# Altium PCB CYAN_AMP_2.PcbDoc (continued)
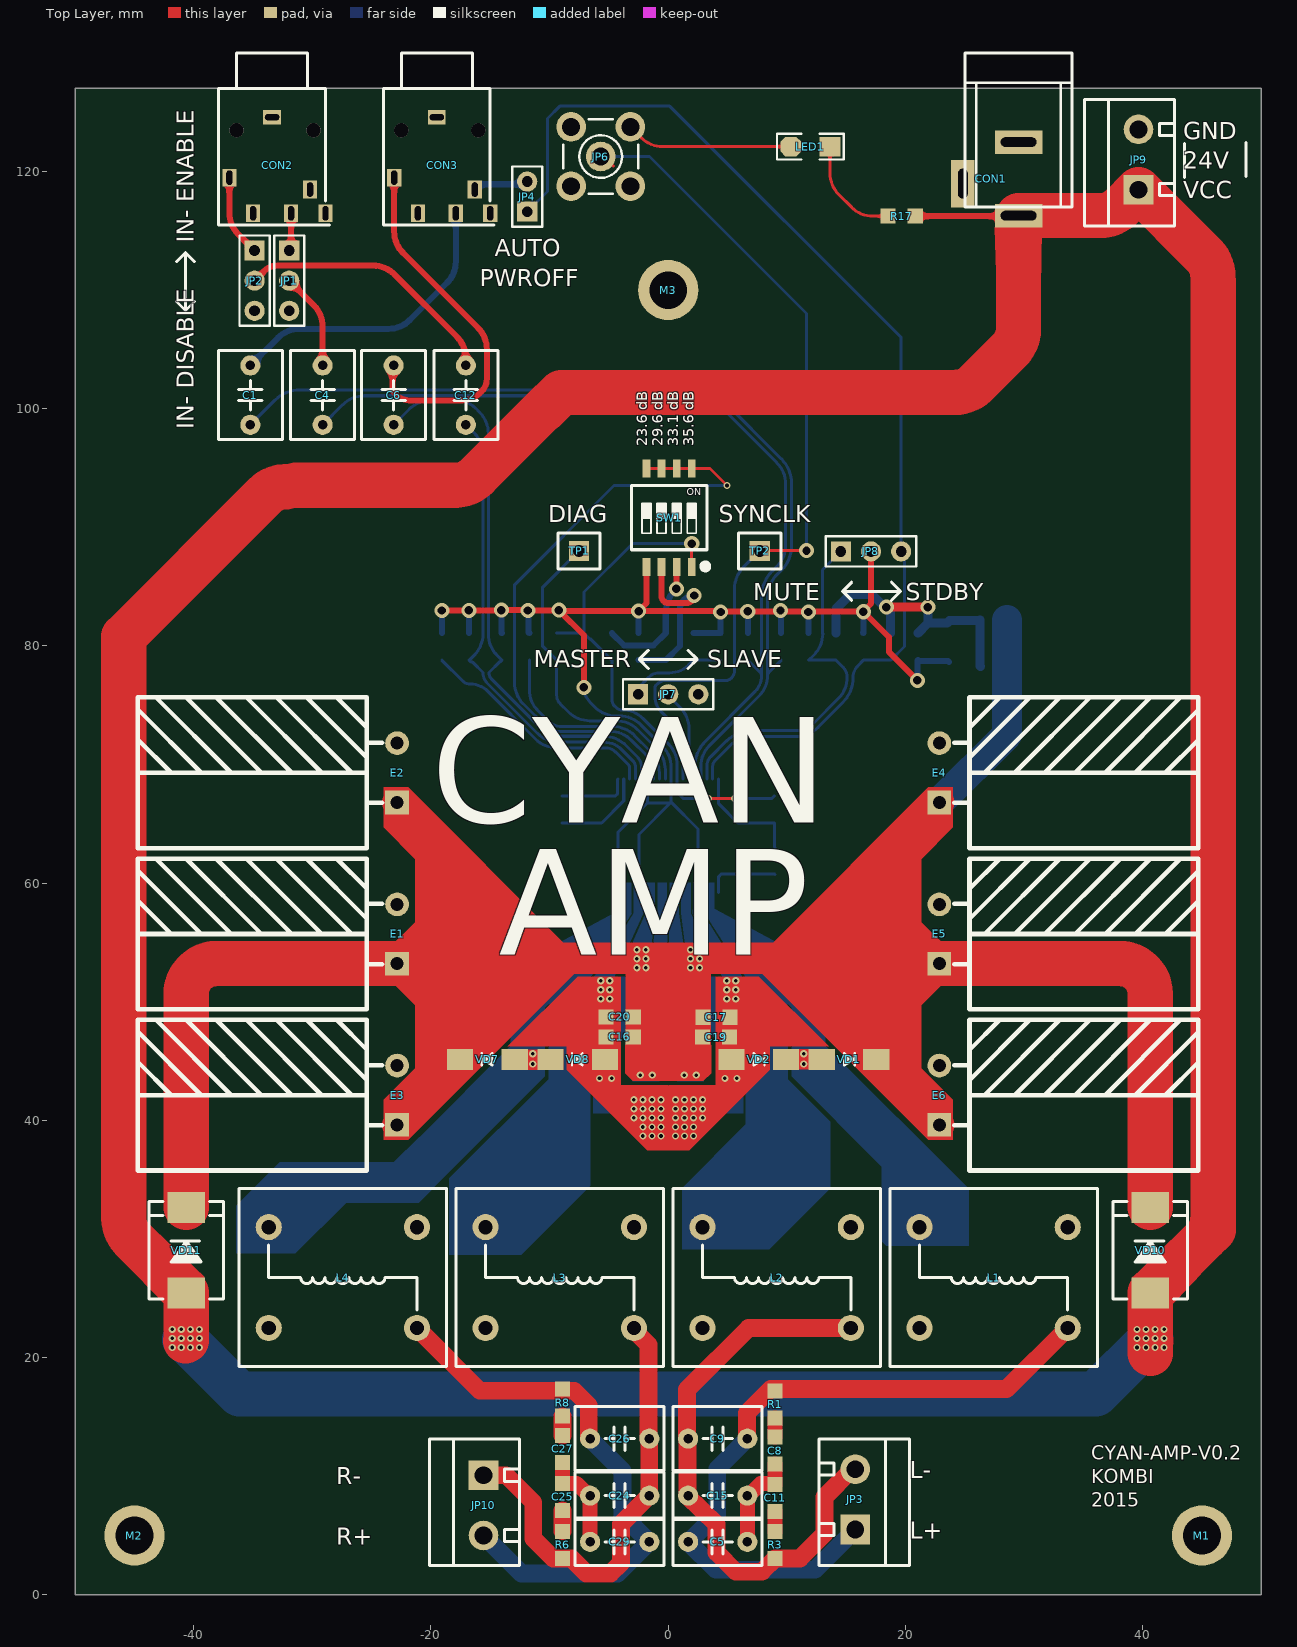
[diagram p0: Top Layer view]
## Footprints (in the part's own frame and the unit in brackets; to place one, negate y for a bottom-side part, rotate by r counter-clockwise, add the part's x,y. Pads: shape width x height; smd on the part's side, far side on the other; paste and mask are expansions set on the pad) (continued)
SMC [mm] "7.1x5.9*2.3mm（长宽高，不包括引脚）"
  rect 2.6x3.15 smd: 1(-3.6,0) 2(3.6,0)
  silkscreen extent -4.1,-3.15 4.1,3.15, body extent -3.95,-2.9 3.95,2.9, height 2.45
SOD-123 [mil] "2.7x1.6X1.1mm（长宽高，不包括引脚）"
  rect 55x50 smd: 1(-67.5,0)
  oct 55x50 smd: 2(67.5,0)
  body extent -73,-31 73,31, height 48
TDA7498E-SSOP36 [mm] "10.23*10.3*2.47mm（长宽高）"
  rect 1.7x0.3 smd: 1(4.775,4.25) 2(4.775,3.75) 3(4.775,3.25) 4(4.775,2.75) 5(4.775,2.25) 6(4.775,1.75) 7(4.775,1.25) 8(4.775,0.75) 9(4.775,0.25) 10(4.775,-0.25) 11(4.775,-0.75) 12(4.775,-1.25) 13(4.775,-1.75) 14(4.775,-2.25) 15(4.775,-2.75) 16(4.775,-3.25) 17(4.775,-3.75) 18(4.775,-4.25) 19(-4.775,-4.25) 20(-4.775,-3.75) 21(-4.775,-3.25) 22(-4.775,-2.75) 23(-4.775,-2.25) 24(-4.775,-1.75) 25(-4.775,-1.25) 26(-4.775,-0.75) 27(-4.775,-0.25) 28(-4.775,0.25) 29(-4.775,0.75) 30(-4.775,1.25) 31(-4.775,1.75) 32(-4.775,2.25) 33(-4.775,2.75) 34(-4.775,3.25) 35(-4.775,3.75) 36(-4.775,4.25)
  silkscreen extent 3.97,4.75 5.67,4.75, body extent -5.15,-5.15 5.15,5.15, height 2.47
"TEST TP1.4_B" [mm] "蓝色，测试环"
  rect 1.7x1.7 hole 1: 1(0,0)
  silkscreen extent -1.78,-1.52 1.78,1.52, body extent -1.67,-1.4 1.67,1.4, height 5.41

## Part data
C1 C4 C5 C6 C9 C12 C15 C24 C26 C29: library part C-CBB, "CBB电容", Voltage=10v
C2 C3 C7 C8 C10 C11 C13 C14 C16 C17 C18 C19 C20 C21 C22 C23 C25 C27 C28 C30 C31 C32 C33: "无极性贴片电容", Voltage=20V
CON1: library part P-DC, "低压电源接口"
CON2 CON3: library part PJ343, "3.5耳机插座,6Pin"
E1 E2 E3 E4 E5 E6: library part C-CAP, "直插电解电容", Voltage=50V
IC1: "Integrated Circuit", Manufacturer_Name=STMicroelectronics, Mouser Part Number=511-TDA7498ETR, Datasheet Link=http://www.mouser.com/ds/2/389/DM00044235-249497.pdf, Height=2.47mm, Manufacturer_Part_Number=TDA7498ETR, Mouser Price/Stock=https://www.mouser.com/Search/Refine.aspx?Keyword=511-TDA7498ETR
JP1 JP2 JP7 JP8: library part "Header 3", "3P接插件"
JP3 JP4 JP9 JP10: library part "Header 2", "2P接插件"
JP6: "SMA-2.4G射频天线接口"
L1 L2 L3 L4: library part L-PK, "工字电感"
LED1: library part LED-SMD, "贴片LED"
M1 M2 M3: "铜柱孔"
R1 R2 R3 R4 R5 R6 R7 R8 R9 R10 R11 R12 R13 R14 R15 R16 R17 Rosc: "贴片电阻"
SW1: "4路编码开关"
TP1 TP2: "测试环"
VD1 VD2 VD3 VD4 VD5 VD6 VD7 VD8: library part SS14, "肖特基二极管"
VD9: library part 1N4007, "整流二极管"
VD10 VD11: library part SS34, "肖特基二极管"

## Via types
v1: diameter 0.61, hole 0.305, Top Layer to Bottom Layer, tented both sides, 99 vias
v2: diameter 1.27, hole 0.711, Top Layer to Bottom Layer, tented both sides, 19 vias

## Nets (pads, with @x,y where several pads share a name; then routed paths per layer and width w, separated by ;. In a path a pad name is that pad's centre, name@x,y a point inside that pad or via, vN(x,y) a via of type N, cw(c..) or ccw(c..) an arc to the next point about the centre after c; other vN are vias at no path point)
DIAG: IC1.28 R5.2 TP1.1 | length 27
  Bottom Layer w0.254: TP1.1 -10.617,84.916 -10.617,80.004 R5.2 -9.408,75.835 ccw(c-8.42,75.835) -9.119,75.137 -8.415,74.433 ccw(c-6.619,76.229) -6.619,73.689 -4.38,73.689 cw(c-4.38,71.149) -2.583,72.945 -0.994,71.356 cw(c-2.79,69.56) -0.25,69.56 IC1.28@-0.25,68.775
GAIN: IC1.30 SW1.5 SW1.6 SW1.7 SW1.8 | length 53.3
  Top Layer w0.254: SW1.5@-1.981,94.959 SW1.6 SW1.7 SW1.8 3.521,94.959 v1(4.953,93.527)
  Bottom Layer w0.254: -12.979,76.86 -12.979,85.115 -4.568,93.527 v1(4.953,93.527) ; -12.954,76.894 ccw(c-10.414,76.894) -12.21,75.098 -10.333,73.22 ccw(c-9.118,74.734) -9.118,72.793 -4.906,72.793 cw(c-4.906,70.253) -3.109,72.049 -1.88,70.819 cw(c-3.4,69.299) -1.25,69.299 IC1.30@-1.25,68.775
GND: C2.1 C3.2 C5.1 C7.1 C8.1 C10.2 C11.2 C15.2 C16.2 C17.2 C18.1 C19.2 C20.2 C21.1 C22.1 C24.1 C25.1 C27.2 C29.2 C30.1 C31.1 C32.1 C33.2 CON1.2 CON2.1 CON3.1 CON3.6 E1.2 E2.2 E3.2 E4.2 E5.2 E6.2 IC1.1 IC1.4 IC1.5 IC1.14 IC1.15 IC1.27 IC1.31 JP1.3 JP2.3 JP6.2 JP6.3 JP8.2 JP9.2 LED1.2 R15.1 Rosc.1 SW1.4 VD2.1 VD4.1 VD6.1 VD8.1 VD9.1 | length 162.4
  Top Layer w0.254: JP6.2@-3.19,123.76 -2.272,122.842 ccw(c-0.476,124.638) -0.476,122.098 LED1.2
  Top Layer w0.508: v2@-18.618,82.986 -18.605,82.998 v2(-16.802,82.998) -14.084,82.998 v2(-14.072,83.011) -11.862,83.011 v2(-11.836,82.986) -11.824,82.998 -9.233,82.998 v2(-9.22,83.011) v2@-9.144,82.935 ; v2(-7.104,76.506) -7.104,80.894 v2@-9.144,82.935 ; SW1.4 -1.829,83.613 -2.489,82.953 v2(-2.489,82.935) ; JP8.2 17.094,83.563 16.459,82.928 v2(16.459,82.884) ; v2(21.006,77.093) 18.593,79.506 18.593,80.75 v2(16.459,82.884) ; v2@-9.144,82.935 v2(-2.489,82.935) ; v2(-2.489,82.935) 4.343,82.935 v2(4.42,82.859) 4.47,82.909 v2(6.706,82.909) 16.434,82.909 v2(16.459,82.884)
  Top Layer w1.27: C27.2 C25.1 -7.743,9.403 -6.707,8.368 C24.1 C29.2 ; C5.1 C15.2 ; C15.2@6.753,8.45 C15.2 ; C8.1 9.012,9.316 C11.2 8.946,9.373 7.792,9.373 6.787,8.368 C15.2
  Bottom Layer w0.254: C18.1 v2(-7.104,76.506) ccw(c-5.311,76.506) -6.579,75.239 -6.18,74.84 ccw(c-4.384,76.636) -4.384,74.096 -4.101,74.096 cw(c-4.101,71.556) -2.305,73.352 -0.494,71.542 cw(c-2.29,69.745) 0.25,69.745 IC1.27 0.25,66.823 ; IC1.1 -4.25,64.274 -1.75,66.774 ; -2.464,59.639 -2.464,64.11 0.201,66.774 ; IC1.31 -1.75,66.774 ; IC1.14@2.215,59.913 2.565,59.563 ; IC1.14 2.515,59.498 2.515,64.559 0.25,66.823 ; -1.75,66.774 0.201,66.774 ; 0.201,66.774 0.25,66.823
  Bottom Layer w0.508: C22.1 -19.079,81.084 -19.079,82.982 v2(-19.075,82.986) ; v2(-16.802,82.998) -16.79,82.986 -16.79,81.093 C10.2 ; v2(-14.072,83.011) -14.044,82.983 -14.044,81.108 C7.1 ; v2(-11.836,82.986) -11.774,82.924 -11.774,81.143 C21.1 ; v2(-9.22,83.011) -9.22,83.004 v2@-8.923,82.706 ; R15.1 -2.501,81.093 -2.501,82.923 v2(-2.489,82.935) ; C31.1 Rosc.1 ; Rosc.1@4.419,81.081 v2@4.419,82.858 ; v2(6.706,82.909) 6.714,82.901 6.714,81.089 C3.2 ; v2(9.464,82.986) 9.495,82.955 9.495,81.111 C2.1 ; v2(11.811,82.859) 11.825,82.844 11.825,81.095 C33.2 ; C32.1@16.408,81.12 C32.1 16.454,81.086 16.454,82.878 v2(16.459,82.884) ; v2(21.006,77.093) 21.031,77.118 21.031,78.769 C30.1 21.126,78.725 23.603,78.725 VD9.1
  other v1: -2.134,38.684 -1.372,38.684 -0.61,38.684 0.61,38.684 1.372,38.684 2.134,38.684 -2.134,39.446 -1.372,39.446 -0.61,39.446 0.61,39.446 1.372,39.446 2.134,39.446 -2.896,40.208 -2.134,40.208 -1.372,40.208 -0.61,40.208 0.61,40.208 1.372,40.208 2.134,40.208 2.896,40.208 -2.896,40.97 -2.134,40.97 -1.372,40.97 -0.61,40.97 0.61,40.97 1.372,40.97 2.134,40.97 2.896,40.97 -2.896,41.732 -2.134,41.732 -1.372,41.732 -0.61,41.732 0.61,41.732 1.372,41.732 2.134,41.732 2.896,41.732 -5.791,43.539 -4.775,43.539 4.775,43.539 5.791,43.539 -5.69,50.245 -4.928,50.245 4.928,50.245 5.69,50.245 -5.69,51.007 -4.928,51.007 4.928,51.007 5.69,51.007 -5.69,51.769 -4.928,51.769 4.928,51.769 5.69,51.769
INA+: C1.2 C2.2 IC1.22 | length 79.8
  Bottom Layer w0.254: C1.2 -33.171,100.702 cw(c-31.021,98.552) -31.021,101.592 2.453,101.592 cw(c2.453,98.552) 4.603,100.702 9.516,95.789 cw(c7.366,93.639) 10.406,93.639 10.406,88.487 cw(c7.398,88.487) 9.525,86.36 9.118,85.953 ccw(c10.914,84.157) 8.374,84.157 8.374,77.525 ; IC1.22@2.75,68.775 IC1.22 2.75,69.824 cw(c5.29,69.824) 3.494,71.621 7.65,75.777 ccw(c5.902,77.525) 8.374,77.525 ; C2.2 8.458,77.728 ccw(c8.661,77.525) 8.374,77.525
INA-: C3.1 C4.2 IC1.23 | length 72.7
  Bottom Layer w0.254: C4.2 -27.429,100.348 cw(c-25.632,98.552) -25.632,101.092 2.453,101.092 cw(c2.453,98.552) 4.249,100.348 9.162,95.435 cw(c7.366,93.639) 9.906,93.639 9.906,88.487 cw(c7.398,88.487) 9.171,86.714 8.764,86.306 ccw(c10.914,84.157) 7.874,84.157 7.874,77.525 ; IC1.23@2.25,68.775 IC1.23 2.25,69.824 cw(c5.29,69.824) 3.14,71.974 7.296,76.13 ccw(c5.902,77.525) 7.874,77.525 ; C3.1 7.79,77.727 cw(c7.588,77.525) 7.874,77.525
INB+: C6.2 C7.2 IC1.32 | length 48.7
  Bottom Layer w0.254: C6.2 -21.849,99.941 cw(c-20.053,98.145) -20.053,100.685 -17.738,100.685 cw(c-17.789,98.518) -16.256,100.051 -15.908,99.702 cw(c-17.704,97.906) -15.164,97.906 -15.164,80.994 ccw(c-12.624,80.994) -14.42,79.198 C7.2 -14.105,78.707 cw(c-14.199,78.8) -14.199,78.668 -15.113,77.753 ccw(c-14.316,77.753) -14.88,77.19 -10.668,72.978 ccw(c-9.238,74.408) -9.238,72.386 -5.445,72.386 cw(c-5.445,69.718) -3.558,71.604 -2.635,70.681 cw(c-3.564,69.752) -2.25,69.752 IC1.32@-2.25,68.775
INB-: C10.1 C12.2 IC1.33 | length 39.7
  Bottom Layer w0.254: C12.2 -16.365,97.948 cw(c-18.161,96.152) -15.621,96.152 -15.621,81.004 cw(c-18.161,81.004) -16.365,79.208 C10.1 -16.651,78.668 cw(c-16.651,78.369) -16.44,78.58 -15.613,77.753 ccw(c-14.316,77.753) -15.233,76.836 -11.022,72.624 ccw(c-9.238,74.408) -9.238,71.886 -5.445,71.886 cw(c-5.445,69.718) -3.912,71.251 -2.988,70.328 cw(c-3.564,69.752) -2.75,69.752 IC1.33@-2.75,68.775
L+: C5.2 C9.2 JP3.1 L1.2 R1.2 | length 59.3
  Top Layer w1.5: C9.2@6.629,13.206 6.629,15.325 R1.2@8.651,17.346 ; C9.2 C9.2@6.706,13.203 ; R1.2@8.912,17.346 28.528,17.346 L1.2
  Bottom Layer w1.5: C9.2 4.14,10.637 4.14,6.807 3.08,5.747 3.008,5.747 1.725,4.464 C5.2 4.027,2.108 12.37,2.108 JP3.1
L-: C9.1 C15.1 JP3.2 L2.2 R3.1 | length 48.5
  Top Layer w1.5: C9.1@1.591,13.168 1.591,17.314 6.777,22.5 L2.2 ; C9.1 1.62,13.143 1.62,8.343 4.064,5.975 4.064,3.581 5.69,1.956 7.896,1.956 R3.1 11.098,3.072 13.183,5.156 13.183,8.255 15.519,10.592 JP3.2
LIN+: C1.1 CON3.2 | length 25.3
  Bottom Layer w0.508: C1.1 -32.886,105.987 cw(c-31.09,104.191) -31.09,106.731 -23.582,106.731 ccw(c-23.582,109.271) -21.786,107.475 -18.651,110.61 ccw(c-20.447,112.406) -17.907,112.406 CON3.2
LIN-: CON2.2 JP1.1 | length 3.4
  Top Layer w0.508: JP1.1 -31.795,113.493 CON2.2
  Bottom Layer w0.508: CON2.2 CON2.2@-31.795,116.625
MUTE: C33.1 IC1.21 JP8.1 R16.2 | length 32
  Bottom Layer w0.254: IC1.21@3.25,68.775 3.25,69.86 cw(c4.388,69.86) 3.583,70.665 4.897,71.978 cw(c7.047,69.828) 7.047,72.868 10.741,72.868 ccw(c10.741,75.064) 12.294,73.511 14.344,75.561 ccw(c12.548,77.358) 15.088,77.358 ccw(c13.897,77.358) 14.739,78.199 R16.2 C33.1 12.286,79.242 ccw(c10.49,81.038) 13.03,81.038 ; 13.005,81.001 13.005,86.415 JP8.1 JP8.1@13.774,87.184
NetC4_1: C4.1 JP1.2 | length 8.2
  Top Layer w0.508: JP1.2 -29.878,108.719 cw(c-31.674,106.923) -29.134,106.923 C4.1
NetC8_2: C8.2 R1.1 | length 1.6
  Top Layer w1.27: C8.2 R1.1
NetC11_1: C11.1 R3.2 | length 1.7
  Top Layer w1.27: C11.1 9.012,7.02 R3.2
NetC12_1: C12.1 JP2.2 | length 22.5
  Top Layer w0.508: JP2.2 -34.072,111.597 cw(c-32.944,110.47) -32.944,112.065 -24.877,112.065 cw(c-24.877,109.525) -23.081,111.321 -17.803,106.043 cw(c-19.599,104.247) -17.059,104.247 C12.1
NetC13_2: C13.2 R2.1
NetC21_2: C21.2 IC1.29 | length 17.7
  Bottom Layer w0.254: C21.2 -11.712,76.319 ccw(c-9.172,76.319) -10.968,74.523 -10.135,73.689 ccw(c-8.953,74.871) -8.953,73.2 -4.652,73.2 cw(c-4.652,70.66) -2.856,72.456 -1.494,71.094 cw(c-3.29,69.298) -0.75,69.298 IC1.29@-0.75,68.775
NetC22_2: C22.2 IC1.34 | length 20.3
  Bottom Layer w0.254: C22.2 -17.35,77.062 ccw(c-16.688,77.725) -16.688,76.788 cw(c-16.688,74.703) -15.214,76.177 -11.189,72.153 ccw(c-9.393,73.949) -9.393,71.409 -5.283,71.409 cw(c-5.283,70.196) -4.425,71.053 -3.353,69.981 cw(c-3.601,69.733) -3.25,69.733 IC1.34@-3.25,68.775
NetC23_1: C23.1 IC1.36 | length 6
  Bottom Layer w0.254: C23.1 -4.445,67.365 -4.266,67.544 -4.266,68.759 IC1.36@-4.25,68.775
NetC23_2: C23.2 IC1.35 | length 7.8
  Bottom Layer w0.254: C23.2 -5.613,65.079 -3.75,66.942 IC1.35@-3.75,68.775
NetC25_2: C25.2 R6.1 | length 1.8
  Top Layer w1.5: R6.1 C25.2
NetC27_1: C27.1 R8.2 | length 1.6
  Top Layer w1.5: C27.1 R8.2
NetC28_2: C28.2 R7.1
NetC31_2: C31.2 JP7.1 Rosc.2 | length 8.4
  Bottom Layer w0.254: JP7.1@-2.54,75.823 cw(c-0.946,75.823) -2.074,76.949 -1.676,77.347 cw(c-0.757,76.427) -0.757,77.728 0.127,77.728 ccw(c0.127,79.949) 1.698,78.378 C31.2 Rosc.2 ; JP7.1 JP7.1@-2.474,75.991
NetCON3_5: CON3.5 JP4.2 | length 4.8
  Bottom Layer w0.508: CON3.5 -16.307,118.577 -15.961,118.923 -12.115,118.923 JP4.2
NetLED1_1: LED1.1 R17.1 | length 9
  Top Layer w0.254: LED1.1 13.64,119.848 ccw(c16.18,119.848) 14.384,118.052 15.461,116.974 ccw(c17.257,118.77) 17.257,116.23 R17.1
NetR12_1: R12.1 R14.2 SW1.2 | length 11.3
  Top Layer w0.508: v2(0.686,84.811) ccw(c0.624,84.872) 0.711,84.872 SW1.2
  Bottom Layer w0.508: R12.1 -3.708,80.039 -1.251,80.039 R14.2 -0.209,82.864 cw(c2.331,82.864) 0.535,84.66 v2(0.686,84.811)
NetR14_1: R14.1 R15.2 SW1.3 | length 14.8
  Top Layer w0.508: SW1.3 -0.559,84.18 ccw(c0,84.18) 0,83.622 1.554,83.622 ccw(c1.554,84.252) v2(2.184,84.252)
  Bottom Layer w0.508: R15.2 R14.1 0.991,79.994 0.991,83.058 cw(c2.184,83.058) v2(2.184,84.252)
OUTA+: IC1.16 IC1.17 L1.1 R2.2 VD1.1 VD2.2
  other v1: 11.43,44.759 11.43,45.622
OUTA-: C13.1 IC1.10 IC1.11 L2.1 VD3.1 VD4.2
OUTB+: C28.1 IC1.2 IC1.3 L4.1 VD7.1 VD8.2
  other v1: -11.43,44.759 -11.43,45.622
OUTB-: IC1.8 IC1.9 L3.1 R7.2 VD5.1 VD6.2
PGND: C14.1 IC1.18 | length 6.2
  Bottom Layer w0.254: IC1.18@4.25,59.225 4.25,60.54 4.496,60.786 8.941,60.786 C14.1
R+: C26.1 C29.1 JP10.2 L4.2 R8.1 | length 47.2
  Top Layer w1.5: L4.2 -15.882,17.2 -9.012,17.2 -7.929,17.2 -6.706,15.977 C26.1@-6.706,13.203 ; C26.1@-6.629,13.206 C26.1
  Bottom Layer w1.5: JP10.2 -12.37,1.803 -4.251,1.803 C29.1 -3.861,6.734 -3.861,10.438 C26.1
R-: C24.2 C26.2 JP10.1 L3.2 R6.2 | length 38.5
  Top Layer w1.5: JP10.1 -13.665,10.084 -11.379,7.798 -11.379,4.75 -9.701,3.072 R6.2 -8.152,3.072 -6.883,1.803 -4.877,1.803 -3.988,2.692 -3.988,5.971 C24.2 C26.2 ; L3.2 -2.894,22.311 -1.671,21.088 C26.2@-1.671,13.168
RIN+: C6.1 CON3.3 | length 31.6
  Top Layer w0.508: CON3.3@-23.264,119.632 CON3.3 ; C6.1@-23.147,103.52 C6.1@-23.127,103.54 ; C6.1 ccw(c-22.92,103.416) -23.241,103.416 -23.241,101.473 -22.91,101.142 ccw(c-21.869,102.183) -21.869,100.711 -17.347,100.711 ccw(c-17.347,102.792) -15.875,101.321 -15.722,101.474 ccw(c-16.763,102.514) -15.291,102.514 -15.291,105.018 ccw(c-17.831,105.018) -16.035,106.814 -22.363,113.142 cw(c-20.567,114.939) -23.107,114.939 CON3.3 ; CON3.3@-23.127,119.455 CON3.3
RIN-: CON2.3 JP2.1 | length 6.9
  Top Layer w0.508: CON2.3 -36.995,116.508 ccw(c-34.455,116.508) -36.251,114.712 JP2.1
ROSC: IC1.24 JP7.2 | length 7.7
  Bottom Layer w0.254: JP7.2@0,75.823 1.006,74.817 cw(c-0.79,73.021) 1.75,73.021 IC1.24@1.75,68.775
STBY: C32.2 IC1.20 JP4.1 JP8.3 R13.2 | length 95.8
  Bottom Layer w0.254: JP4.1 -11.666,116.39 -11.666,116.833 -10.185,118.313 -10.185,124.46 -9.144,125.501 0.127,125.501 19.634,105.994 JP8.3 19.914,87.685 19.914,79.956 R13.2 C32.2 16.009,78.356 ccw(c17.069,77.296) 15.57,77.296 ; IC1.20@3.75,68.775 IC1.20 3.75,69.86 cw(c4.388,69.86) 3.937,70.311 5.25,71.624 cw(c7.047,69.828) 7.047,72.368 10.741,72.368 ccw(c10.741,75.064) 12.647,73.158 14.697,75.208 ccw(c12.548,77.358) 15.588,77.358
SYNCLK: IC1.25 JP6.1 TP2.1 | length 75
  Top Layer w0.254: JP6.1 cw(c-5.69,120.646) -5.256,121.08 -4.623,120.447 ; TP2.1 7.743,88.036 v2(11.659,88.036)
  Bottom Layer w0.254: JP6.1 -1.575,121.26 11.659,108.026 v2(11.659,88.036) ; IC1.25@1.25,68.775 1.25,71.565 ccw(c-1.29,71.565) 0.506,73.361 -0.584,74.451 cw(c0.733,75.769) -1.13,75.769 -1.13,76.401 cw(c-0.654,76.401) -0.991,76.737 cw(c-0.132,75.879) -0.132,77.093 4.879,77.093 ccw(c4.879,77.7) 5.309,77.271 ccw(c4.634,77.945) 5.588,77.945 5.588,84.829 cw(c8.128,84.829) 6.332,86.625 TP2.1
VCC3V3: C30.2 R9.2 R10.2 R11.2 R13.1 R16.1 VD9.2 | length 23.5
  Top Layer w0.762: v2(18.39,83.265) v2(21.895,83.265)
  Bottom Layer w0.762: R16.1 14.144,83.13 15.367,84.353 17.164,84.353 18.252,83.265 v2(18.39,83.265) ; R13.1 v2@18.752,82.826 ; C30.2 21.895,81.919 ; v2(21.895,83.265) 21.895,81.919 ; R10.2 26.302,78.299 26.302,82.185 R11.2 26.232,82.141 23.73,82.141 VD9.2 23.508,81.919 21.895,81.919
VCCPOWER: C16.1 C17.1 C19.1 C20.1 E1.1 E2.1 E3.1 E4.1 E5.1 E6.1 IC1.6 IC1.7 IC1.12 IC1.13 R9.1 R10.1 R11.1 VD1.2 VD3.2 VD5.2 VD7.2 VD10.2 VD11.2 | length 197.2
  Top Layer w2.54: E3.1 -19.025,43.461 -19.025,49.379 E1.1@-22.451,52.806 ; E2.1 -19.025,62.968 -19.025,57.05 -22.451,53.623 v1(-2.642,53.623) ; v1(2.642,53.623) E5.1@22.451,53.623 ; E5.1@22.451,52.806 19.025,49.379 19.025,43.461 E6.1 ; E5.1 E5.1@22.451,53.623 ; E4.1 19.025,62.968 19.025,57.05 E5.1@22.451,53.623
  Top Layer w3.81: VD11.2 -40.64,50.675 cw(c-38.1,50.675) -38.1,53.215 E1.1 ; E5.1 38.1,53.215 cw(c38.1,50.675) 40.64,50.675 VD10.2
  Bottom Layer w2.54: E4.1 28.575,72.519 28.575,78.287 28.575,80.242 R11.1
  other v1: -2.362,43.819 -1.346,43.819 1.346,43.819 2.362,43.819 -2.642,52.861 -1.88,52.861 1.88,52.861 2.642,52.861 -1.88,53.623 1.88,53.623 -2.642,54.385 -1.88,54.385 1.88,54.385 2.642,54.385
VDDPW: C14.2 IC1.19 R4.2 | length 9.5
  Bottom Layer w0.254: IC1.19@4.25,68.775 4.25,66.696 5.867,65.079 R4.2 8.966,63.047 C14.2
VDDS: C18.2 IC1.26 R4.1 R5.1 R12.2 SW1.1 | length 44.3
  Top Layer w0.254: SW1.1 v2(1.981,88.624) ; v1(3.404,67.136) v1(5.613,67.136)
  Bottom Layer w0.254: R5.1 C18.2 ; v2(1.981,88.624) -3.019,88.624 -7.104,84.54 C18.2 ; v1(3.404,67.136) 1.266,67.136 0.75,67.652 0.75,69.957 ccw(c-1.79,69.957) 0.006,71.753 -2.108,73.867 ccw(c-3.886,72.089) -3.886,74.604 cw(c-3.886,75.339) -4.407,74.819 -4.547,74.959 cw(c-4.056,75.45) -4.75,75.45 R12.2 -6.528,80.573 -6.596,80.573 C18.2 ; v1(5.613,67.136) 8.738,67.136 R4.1
VIN: CON1.1 JP9.1 R17.2 VD10.1 VD11.1 | length 366.6
  Top Layer w0.508: R17.2 29.495,116.23 CON1.1
  Top Layer w3.81: -40.691,21.391 -40.64,21.441 VD11.1 -45.154,29.975 cw(c-43.358,31.771) -45.898,31.771 -45.898,80.797 -34.018,92.677 cw(c-32.222,90.881) -32.222,93.421 ; -31.369,93.548 -17.943,93.548 ccw(c-17.943,96.088) -16.147,94.292 -9.964,100.475 ; -10.439,99.949 -9.017,101.371 24.17,101.371 ccw(c24.17,103.911) 25.966,102.115 28.796,104.945 ccw(c27,106.742) 29.54,106.742 CON1.1 36.407,116.275 ccw(c36.407,118.815) 38.203,117.019 JP9.1 45.179,112.936 cw(c43.383,111.14) 45.923,111.14 ; 40.665,20.349 40.64,20.375 40.64,21.441 ; 40.691,21.391 40.64,21.441 ; 45.923,31.797 cw(c43.383,31.797) 45.179,30.001 ; 45.949,110.744 45.949,30.77 45.179,30.001 ; 40.64,21.441 VD10.1 45.179,30.001
  Bottom Layer w3.81: -40.754,21.53 -36.144,16.92 36.043,16.92 40.691,21.568
  other v1: -41.808,20.857 -41.046,20.857 -40.284,20.857 -39.522,20.857 39.522,20.857 40.284,20.857 41.046,20.857 41.808,20.857 -41.808,21.619 -41.046,21.619 -40.284,21.619 -39.522,21.619 39.522,21.619 40.284,21.619 41.046,21.619 41.808,21.619 -41.808,22.381 -41.046,22.381 -40.284,22.381 -39.522,22.381 39.522,22.381 40.284,22.381 41.046,22.381 41.808,22.381
pads on no net: CON1.3 CON2.0 CON2.4 CON2.5 CON2.6 CON3.0 CON3.4 JP7.3 L1.0 L2.0 L3.0 L4.0 M1.0 M2.0 M3.0

## Polygon pours and split planes (outlines as drawn)
GND on Bottom Layer "GND_L02_P007" (solid, remove dead copper, pour order 7): -50,0 -50,127 50,127 50,0

## Other copper
Top Layer:
  region net VCCPOWER: 2.972,54.991 -2.972,54.991 -2.972,43.323 2.972,43.323
  rectangle net OUTB+: -13.894,44.251 -8.814,45.978
  region net OUTA+: 13.919,46.003 8.839,46.003 8.839,44.276 13.919,44.276
  rectangle net VCCPOWER: -3.607,46.308 -1.245,52.658
  region net VCCPOWER: 3.607,52.658 1.245,52.658 1.245,46.308 3.607,46.308
  rectangle net VCCPOWER: -4.293,52.353 -1.245,54.995
  region net VCCPOWER: 4.293,54.995 1.245,54.995 1.245,52.353 4.293,52.353
  region net GND: 8.56,44.276 7.264,42.981 7.243,42.981 1.753,37.49 -1.753,37.49 -7.243,42.981 -7.264,42.981 -8.56,44.276 -8.56,46.232 -13.513,46.232 -7.645,52.099 -4.013,52.099 -4.013,42.981 -0.055,42.981 0,42.926 0.055,42.981 4.013,42.981 4.013,52.099 7.645,52.099 13.513,46.232 8.56,46.232
  region net VCCPOWER: -3.607,46.326 -3.607,43.958 -2.972,43.323 -0.864,43.323 -0.864,46.93 -1.422,47.489 -1.422,48.073
  region net VCCPOWER: 3.607,46.326 3.607,43.958 2.972,43.323 0.864,43.323 0.864,46.93 1.422,47.489 1.422,48.073
  region net VCCPOWER: -1.245,54.995 -8.839,54.995 -21.92,68.076 -24.003,68.076 -24.003,64.698 -21.336,62.031 -21.336,56.722 -23.901,54.157 -23.901,52.252 -20.803,52.252 -20.041,53.014 -19.38,52.353 -1.245,52.353
  region net VCCPOWER: -1.245,52.429 -7.844,52.429 -21.92,38.353 -24.003,38.353 -24.003,41.731 -21.336,44.398 -21.336,49.707 -23.901,52.272 -23.901,54.177 -20.803,54.177 -20.041,53.415 -19.38,54.076 -1.245,54.076
  region net VCCPOWER: 1.245,52.429 7.844,52.429 21.92,38.353 24.003,38.353 24.003,41.731 21.336,44.398 21.336,49.707 23.901,52.272 23.901,54.177 20.803,54.177 20.041,53.415 19.38,54.076 1.245,54.076
  region net VCCPOWER: 1.245,54.995 8.839,54.995 21.92,68.076 24.003,68.076 24.003,64.698 21.336,62.031 21.336,56.722 23.901,54.157 23.901,52.252 20.803,52.252 20.041,53.014 19.38,52.353 1.245,52.353
Bottom Layer:
  rectangle net NetC28_2: -10.058,47.959 -6.833,49.305
  rectangle net GND: -6.35,40.593 -4.166,44.047
  region net GND: 6.35,44.047 4.166,44.047 4.166,40.593 6.35,40.593
  rectangle net VCCPOWER: -2.997,43.285 -0.737,46.689
  region net VCCPOWER: 2.997,46.689 0.737,46.689 0.737,43.285 2.997,43.285
  rectangle net GND: -6.121,49.788 -4.496,52.175
  rectangle net VCCPOWER: -3.073,52.404 -1.448,54.792
  region net OUTA-: 0.901,60.075 0.088,60.075 0.088,57.484 0.901,57.484
  region net OUTB-: -0.099,60.075 -0.912,60.075 -0.912,57.484 -0.099,57.484
  region net VCCPOWER: 3.073,54.792 1.448,54.792 1.448,52.404 3.073,52.404
  region net GND: 6.121,52.175 4.496,52.175 4.496,49.788 6.121,49.788
  region net NetC13_2: 10.058,49.305 6.833,49.305 6.833,47.959 10.058,47.959
  region net OUTA+: 3.901,60.075 3.088,60.075 3.088,57.484 3.901,57.484
  region net GND: 2.901,60.075 2.088,60.075 2.088,57.484 2.901,57.484
  region net VCCPOWER: 1.901,60.075 1.088,60.075 1.088,57.484 1.901,57.484
  region net VCCPOWER: -1.099,60.075 -1.912,60.075 -1.912,57.484 -1.099,57.484
  region net GND: -2.099,60.075 -2.912,60.075 -2.912,57.484 -2.099,57.484
  region net OUTB+: -3.099,60.075 -3.912,60.075 -3.912,57.484 -3.099,57.484
  region net OUTB+: -18.365,35.74 -18.364,35.74 -10.414,43.717 -10.414,46.638 -13.259,46.587 -13.259,46.283 -20.955,38.586 -21.006,38.586 -23.139,36.453 -32.766,36.453 -36.398,32.821 -36.398,28.782 -31.445,28.782 -27.153,33.075 -21.031,33.075
  region net OUTB-: -2.896,47.959 -0.102,47.959 -0.088,57.484 -0.102,57.738 -0.889,57.713 -0.901,57.484 -1.219,55.162 -1.219,52.125 -4.191,52.125 -4.191,49.823 -4.506,49.508 -5.92,49.508 -6.096,49.332 -6.096,45.317 -4.369,45.317 -4.369,46.486
  region net OUTA+: 13.259,46.587 13.259,46.283 25.324,34.218 25.324,29.442 18.364,29.442 18.009,29.798 18.009,36.097 10.414,43.717 10.414,43.743 10.414,46.638
  region net OUTA-: 6.096,47.883 6.121,47.883 6.553,47.451 10.033,47.451 10.084,47.4 10.084,43.489 13.677,39.896 13.677,34.294 8.534,29.151 1.168,29.151 1.168,34.294 6.553,39.679 6.553,44.149 6.375,44.327 4.369,44.327 4.369,47.73
  region net OUTB-: -6.096,47.883 -6.121,47.883 -6.553,47.451 -10.033,47.451 -10.084,47.4 -10.084,43.489 -18.44,35.132 -18.44,34.7 -18.44,28.655 -13.564,28.655 -12.395,28.655 -6.553,34.497 -6.553,44.149 -6.375,44.327 -4.369,44.327 -4.369,47.73
  region net OUTA-: 2.896,47.959 0.102,47.959 0.088,57.484 0.102,57.738 0.889,57.713 0.901,57.484 1.219,55.162 1.219,52.125 4.191,52.125 4.191,49.823 4.506,49.508 5.92,49.508 6.096,49.332 6.096,45.317 4.369,45.317 4.369,46.486
  region net OUTB+: 3.088,57.484
  region net OUTB+: 3.088,57.484
  region net OUTB+: 3.088,57.484
  region net OUTB+: 3.088,57.484
  region net OUTB+: -3.886,57.84 -3.099,57.84 -3.099,57.494 -3.088,57.484 -8.004,49.788 -10.109,49.788 -10.414,49.483 -10.414,45.855 -13.259,45.851 -13.284,52.785
  region net GND: -2.896,57.763 -2.901,57.484 -7.671,49.788 -4.496,49.788 -4.496,52.175 -2.088,57.484 -2.083,57.763
  region net VCCPOWER: -1.905,57.865 -1.901,57.484 -3.073,54.792 -4.089,52.404 -1.448,52.404 -1.448,54.792 -1.088,57.484 -1.092,57.865
  region net VCCPOWER: 1.905,57.865 1.901,57.484 3.073,54.792 4.089,52.404 1.448,52.404 1.448,54.792 1.088,57.484 1.092,57.865
  region net GND: 2.896,57.763 2.901,57.484 7.671,49.788 4.496,49.788 4.496,52.175 2.088,57.484 2.083,57.763
  region net OUTA+: 3.886,57.84 3.099,57.84 3.099,57.494 3.088,57.484 8.004,49.788 10.109,49.788 10.414,49.483 10.414,45.855 13.259,45.851 13.284,52.785
  region net OUTA+: -3.088,57.484
  region net OUTA+: -3.088,57.484
  region net OUTA+: -3.088,57.484
  region net OUTA+: -3.088,57.484

## Silkscreen, mask and mechanical layers (free items; w line width, h text height)
Top Overlay:
  lines w0.254: -41.453,109.042 -40.691,108.28 ; -41.453,112.395 -40.691,113.157 ; -40.691,108.306 -40.691,108.28 ; -40.691,113.132 -40.691,113.157 ; -39.929,109.042 -40.691,108.28 ; -39.929,112.395 -40.691,113.157 ; -2.413,78.867 -2.438,78.867 ; -1.676,78.105 -2.438,78.867 ; -1.676,79.629 -2.438,78.867 ; 1.676,78.105 2.438,78.867 ; 1.676,79.629 2.438,78.867 ; 2.413,78.867 2.438,78.867 ; 14.732,84.607 14.707,84.607 ; 15.469,83.845 14.707,84.607 ; 15.469,85.369 14.707,84.607 ; 18.821,83.845 19.583,84.607 ; 18.821,85.369 19.583,84.607 ; 19.558,84.607 19.583,84.607 ; 43.536,119.507 43.536,122.377 ; 48.717,119.583 48.717,122.453 ; -40.691,108.28 -40.691,110.719 -40.691,113.157 ; -2.438,78.867 0,78.867 2.438,78.867 ; 14.707,84.607 17.145,84.607 19.583,84.607
  text "GND" at 43.409,122.199 h2.5
  text "24V" at 43.409,119.71 h2.5
  text "VCC" at 43.409,117.246 h2.5
  text "IN- ENABLE" at -39.497,113.97 h2.5 r90
  text "AUTO" at -14.605,112.344 h2.5
  text "PWROFF" at -15.875,109.804 h2.5
  text "IN- DISABLE" at -39.497,98.247 h2.5 r90
  text "23.6 dB" at -1.473,96.825 h1.52 r90
  text "29.6 dB" at -0.169,96.825 h1.52 r90
  text "33.1 dB" at 1.135,96.825 h1.52 r90
  text "35.6 dB" at 2.438,96.825 h1.52 r90
  text "DIAG" at -10.135,89.941 h2.5
  text "SYNCLK" at 4.267,89.941 h2.5
  text "MUTE" at 7.163,83.363 h2.5
  text "STDBY" at 20.041,83.363 h2.5
  text "MASTER" at -11.328,77.699 h2.5
  text "SLAVE" at 3.302,77.699 h2.5
  text "CYAN" at -19.964,62.205 h15.24
  text "AMP" at -14.3,51.054 h15.24
  text "L-" at 20.371,9.322 h2.5
  text "R-" at -27.991,8.814 h2.5
  text "CYAN-AMP-V0.2 / KOMBI / 2015" at 35.662,6.985 h2
  text "L+" at 20.371,4.242 h2.5
  text "R+" at -27.991,3.734 h2.5
Bottom Overlay:
  lines w0.254: -18.771,77.8 -18.771,73.635 -17.399,72.263 ; -16.466,77.8 -16.466,73.635 -15.095,72.263 ; -14.162,77.8 -14.162,73.635 -12.79,72.263 ; -11.858,77.8 -11.858,72.263 -10.486,72.263 ; -9.423,52.095 -9.423,56.109 -7.544,57.988 -5.975,57.988 ; -7.442,49.733 -7.442,55.956 -5.512,57.887 ; -6.025,57.988 5.975,57.988 ; -6,58.014 -6,70.025 6,70.025 ; -4.089,47.803 -3.632,48.26 -3.632,56.642 -2.286,57.988 ; -1.27,51.511 -1.27,56.82 -0.102,57.988 ; 0,57.988 0.102,57.988 1.27,56.82 1.27,51.511 ; 2.286,57.988 3.632,56.642 3.632,48.26 4.089,47.803 ; 5.512,57.887 7.442,55.956 7.442,49.733 ; 5.975,70 5.975,57.988 ; 9.423,52.095 9.423,56.109 7.544,57.988 5.975,57.988 ; 11.731,72.263 11.731,77.8 ; 12.663,72.263 14.035,73.635 14.035,77.8 ; 15.425,72.263 16.796,73.635 16.796,77.8 ; 17.729,72.263 19.101,73.635 19.101,77.8 ; 23.108,80.131 23.679,80.702 24.251,80.131 23.108,80.131
  lines w1: -21.311,45.339 -15.316,51.333 -15.316,58.242 ; -21.311,58.242 -9.322,58.242 -8.509,59.055 -6.426,59.055 ; -21.311,71.933 -10.77,71.933 -7.976,69.139 -6.477,69.139 ; 6.426,59.08 8.509,59.08 9.322,58.268 21.311,58.268 ; 6.477,69.164 7.976,69.164 10.77,71.958 21.311,71.958 ; 15.316,58.268 15.316,51.359 21.311,45.364
  text "JLCJLCJLCJLC" at 20.93,124.333 h1.5
  text "POWERED BY" at 8.458,72.568 h3
  text "TDA7498E" at 6.756,69.393 h3
Mechanical 1:
  the board outline again, w0.254

## Text inside footprints (layer, text, board x,y; h text height)
SW1: Top Overlay "ON" at 1.575,92.481 h1